# KiCad board Backplane_v2.kicad_pcb (continued)
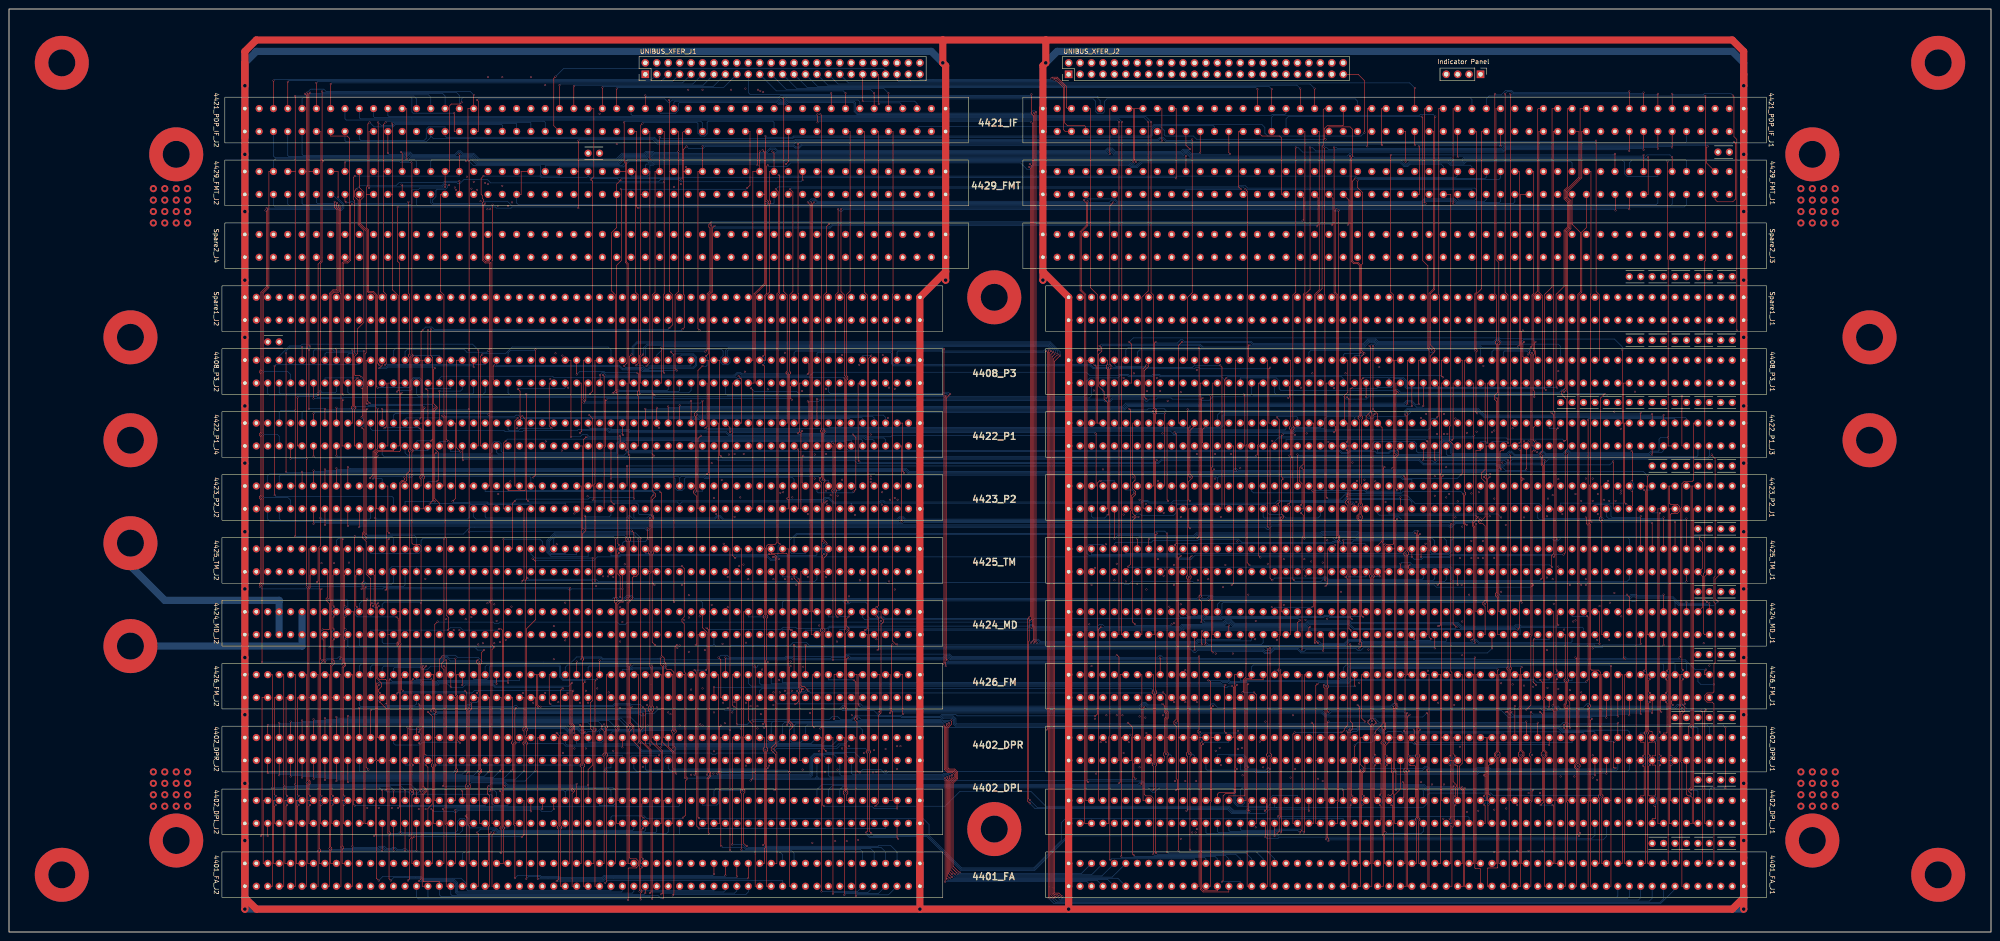
[diagram p0: board, top side]
## Routing (per net, layer and track width the routed paths; a pad name or vN(x,y) marks a point on that pad's centre or on a via; arc(x,y) is an arc through that point) (continued)
FAM03*: length 225.3
  F.SigTop w0.127: v2(297.72,45.21) 297.47,44.96 297.47,10.16 4401_FA_J1.72 ; 4426_FM_J2.19 178.34,57.15 178.34,45.85 v2(178.73,45.47)
  B.Sig.Top w0.127: 4402_DPR_J1.27 352.08,44.32 351.83,44.58 344.97,44.58 344.08,45.47 305.6,45.47 304.96,44.83 304.71,44.83 304.07,45.47 299.38,45.47 299.12,45.21 v2(297.72,45.21) 297.47,45.47 207.94,45.47 207.81,45.34 207.3,45.34 206.92,45.72 178.98,45.72 v2(178.73,45.47)
FAM04*: length 168.9
  F.SigTop w0.127: v2(270.04,54.86) 270.04,54.74 269.78,54.48 269.78,44.58 v2(270.17,44.2) ; 4401_FA_J1.92 270.8,8.89 265.08,8.89 264.45,9.52 264.45,41.91 v2(264.83,42.29)
  B.Sig.Top w0.127: v2(264.83,42.29) 264.83,42.42 264.45,42.8 264.45,43.81 264.83,44.2 v2(270.17,44.2) 273.34,44.2 4402_DPR_J1.89 ; v2(270.04,54.86) 167.04,54.86 166.66,55.25 4426_FM_J2.29
FAM05*: length 166.3
  F.SigTop w0.127: v2(265.08,41.78) 264.7,41.4 264.7,9.65 265.21,9.14 268.26,9.14 4401_FA_J1.94 ; 4402_DPR_J1.91 271.82,43.18 271.82,54.36 v2(271.56,54.61)
  B.Sig.Top w0.127: v2(271.56,54.61) 270.67,54.61 270.42,54.36 269.78,54.36 269.53,54.61 164.75,54.61 164.12,55.25 4426_FM_J2.31 ; v2(265.08,41.78) 265.47,42.16 270.8,42.16 4402_DPR_J1.91
FAM06*: length 158.4
  F.SigTop w0.127: v2(267.24,50.16) 266.99,49.91 266.99,43.18 ; 266.99,43.18 266.99,29.08 266.74,28.83 266.74,10.16 4401_FA_J1.96 ; 266.99,43.18 4402_DPR_J1.93 ; v2(161.07,49.91) 160.56,50.42 160.56,57.15 4426_FM_J2.33
  B.Sig.Top w0.127: v2(267.24,50.16) 266.99,49.91 252.64,49.91 252.13,50.42 251.88,50.42 251.12,49.66 186.09,49.66 185.46,50.29 185.07,50.29 184.44,49.66 161.33,49.66 v2(161.07,49.91)
FAM07*: length 164.5
  F.SigTop w0.127: v2(264.2,61.21) 264.2,44.96 263.94,44.7 263.94,44.32 264.2,44.07 264.2,43.18 ; v2(159.04,60.96) 4426_FM_J2.35 ; 264.2,43.18 4402_DPR_J1.95 ; 264.2,43.18 264.2,10.16 4401_FA_J1.98
  B.Sig.Top w0.127: v2(264.2,61.21) 263.94,60.96 256.19,60.96 255.69,61.47 255.43,61.47 254.93,60.96 209.2,60.96 208.82,61.34 207.68,61.34 207.3,60.96 186.85,60.96 186.35,61.47 186.09,61.47 185.58,60.96 182.66,60.96 182.41,60.71 174.15,60.71 173.9,60.96 172.63,60.96 172.38,60.71 159.29,60.71 v2(159.04,60.96)
FAM08*: length 104.3
  F.SigTop w0.127: v2(188,8) 188,43.18 4402_DPR_J2.13 ; 4426_FM_J2.45 147.36,57.15 147.36,44.96 147.1,44.7 147.1,44.45 147.36,44.2 v2(147.36,40.89)
  B.Sig.Top w0.127: v2(188,8) 188.25,8.25 195.24,8.25 4401_FA_J2.6 ; v2(147.36,40.89) 147.61,41.15 183.55,41.15 184.19,41.78 185.58,41.78 4402_DPR_J2.13
FAM09*: length 103.6
  F.SigTop w0.127: 4402_DPR_J2.15 185.46,43.18 185.46,31.5 185.2,31.24 185.2,30.73 185.46,30.48 v2(185.46,8.25) ; v2(144.82,41.15) 144.82,57.15 4426_FM_J2.47
  B.Sig.Top w0.127: v2(144.82,41.15) 145.07,41.4 182.66,41.4 4402_DPR_J2.15 ; 4401_FA_J2.8 192.95,8.51 185.71,8.51 v2(185.46,8.25)
FAM10*: length 102.8
  F.SigTop w0.127: 4402_DPR_J2.17 182.92,43.18 v2(182.92,8.51) ; 4426_FM_J2.49 142.28,57.15 142.28,50.29 142.02,50.04 142.02,49.15 142.28,48.89 v2(142.28,41.4)
  B.Sig.Top w0.127: 4401_FA_J2.10 190.66,8.76 183.17,8.76 v2(182.92,8.51) ; 4402_DPR_J2.17 180.38,41.66 142.53,41.66 v2(142.28,41.4)
FAM11*: length 101.2
  F.SigTop w0.127: 4426_FM_J2.51 139.74,57.15 v2(139.74,41.91) ; v2(180.38,9.02) 180.38,43.18 4402_DPR_J2.19
  B.Sig.Top w0.127: v2(180.38,9.02) 188.38,9.02 4401_FA_J2.12 ; 4402_DPR_J2.19 178.09,41.91 v2(139.74,41.91)
FAM12*: length 93.9
  F.SigTop w0.127: v2(147.36,8.13) 147.61,8.38 147.61,40 146.34,41.27 4402_DPR_J2.45 145.32,43.18 v2(145.32,59.44) ; v2(126.02,60.07) 4426_FM_J2.61
  B.Sig.Top w0.127: v2(126.02,60.07) 126.27,59.82 144.94,59.82 v2(145.32,59.44) ; v2(147.36,8.13) 147.36,8.25 147.48,8.38 163.61,8.38 164.12,8.89 4401_FA_J2.32
FAM13*: length 92.4
  F.SigTop w0.127: v2(142.78,59.18) 142.78,50.29 143.04,50.04 143.04,49.15 142.78,48.89 142.78,43.18 4402_DPR_J2.47 143.8,41.53 145.07,40.26 145.07,8.64 v2(144.82,8.38)
  B.Sig.Top w0.127: v2(144.82,8.38) 145.07,8.64 161.07,8.64 161.58,9.14 4401_FA_J2.34 ; 4426_FM_J2.63 123.48,58.8 123.99,59.31 137.2,59.31 137.7,58.8 138.08,58.8 138.59,59.31 142.66,59.31 v2(142.78,59.18)
FAM14*: length 88.8
  F.SigTop w0.127: v2(140.75,49.91) 141.26,49.4 4402_DPR_J2.49 141.26,41.78 142.53,40.51 142.53,8.89 v2(142.28,8.64) ; 4426_FM_J2.65 119.92,57.15 119.92,50.93 v2(120.18,50.67)
  B.Sig.Top w0.127: 4401_FA_J2.36 159.04,9.27 158.66,8.89 142.53,8.89 v2(142.28,8.64) ; v2(140.75,49.91) 140.12,50.55 138.08,50.55 137.96,50.67 134.4,50.67 134.02,50.29 120.56,50.29 v2(120.18,50.67)
FAM15*: length 88.6
  F.SigTop w0.127: v2(139.99,9.02) 139.99,41.02 138.72,42.29 4402_DPR_J2.51 138.72,45.72 137.96,46.48 137.96,49.78 v2(138.21,50.04) ; 4426_FM_J2.67 117.38,57.15 117.38,50.42 117.76,50.04 v2(118.02,50.04)
  B.Sig.Top w0.127: v2(138.21,50.04) 137.83,50.42 134.53,50.42 134.15,50.04 v2(118.02,50.04) ; v2(139.99,9.02) 140.12,9.14 156.5,9.14 4401_FA_J2.38
FAM16*: length 119.6
  F.SigTop w0.127: 4402_DPR_J2.89 90.46,45.21 v2(90.71,45.47) ; v2(130.46,56.13) 130.08,55.75 130.08,45.21 v2(130.34,44.96) 130.08,44.7 130.08,10.16 4401_FA_J2.58
  B.Sig.Top w0.127: v2(130.34,44.96) 126.91,44.96 126.4,45.47 125.13,45.47 124.62,44.96 124.24,44.96 123.48,45.72 90.97,45.72 v2(90.71,45.47) ; v2(130.46,56.13) 123.1,56.13 122.46,56.77 122.46,59.05 122.21,59.31 106.08,59.31 105.7,58.93 4426_FM_J2.77
FAM17*: length 121.9
  F.SigTop w0.127: 4402_DPR_J2.91 88.56,43.81 88.56,45.34 v2(88.43,45.47) ; 127.54,44.07 127.54,44.7 ; 127.54,44.07 127.54,44.2 v2(127.8,44.45) 127.54,44.7 ; 127.54,44.07 127.54,37.47 127.8,37.21 127.8,36.83 127.54,36.58 127.54,10.16 4401_FA_J2.60 ; 127.54,44.7 127.54,55.25 v2(127.93,55.63)
  B.Sig.Top w0.127: 4426_FM_J2.79 103.16,56.13 106.08,56.13 106.72,56.77 106.72,58.93 106.84,59.05 122.08,59.05 122.21,58.93 122.21,56.64 122.97,55.88 127.67,55.88 v2(127.93,55.63) ; v2(88.43,45.47) 88.94,44.96 91.35,44.96 91.86,45.47 123.35,45.47 124.12,44.7 124.75,44.7 125.26,45.21 126.27,45.21 126.78,44.7 127.54,44.7 v2(127.8,44.45)
FAM18*: length 107.5
  F.SigTop w0.127: v2(100.11,42.04) 99.6,42.54 99.6,52.45 99.35,52.71 99.35,57.15 4426_FM_J2.81 v2(100.62,54.86) ; v2(125,55.37) 124.75,55.12 124.75,46.23 125.26,45.72 125.26,45.09 125,44.83 125,32 125.51,31.5 125.51,31.24 125,30.73 125,10.16 4401_FA_J2.62
  B.Sig.Top w0.127: 4402_DPR_J2.93 85.38,41.91 85.76,41.53 91.09,41.53 91.73,42.16 99.99,42.16 v2(100.11,42.04) ; v2(125,55.37) 124.24,54.61 107.99,54.61 107.48,55.12 100.87,55.12 v2(100.62,54.86)
FAM19*: length 103.1
  F.SigTop w0.127: 4402_DPR_J2.95 81.82,43.18 81.82,54.61 v2(82.08,54.86) ; 4401_FA_J2.64 122.46,10.16 122.46,22.86 122.72,23.11 122.72,23.37 122.46,23.62 122.46,53.72 122.85,54.1 v2(122.97,54.1) ; v2(98.08,54.36) 4426_FM_J2.83
  B.Sig.Top w0.127: v2(122.97,54.1) 122.72,54.36 107.86,54.36 107.35,54.86 101.25,54.86 100.75,54.36 v2(98.08,54.36) 97.32,55.12 95.54,55.12 95.29,54.86 91.48,54.86 91.22,55.12 82.33,55.12 v2(82.08,54.86)
FAM20*: length 135.4
  F.SigTop w0.127: v2(145.2,7.49) 145.32,7.62 145.32,29.21 4402_DPL_J2.45 ; 4401_FA_J2.84 97.06,10.16 97.06,23.75 96.81,24 96.81,58.8 v2(96.56,59.05)
  B.Sig.Top w0.127: v2(96.56,59.05) 93.63,59.05 92.87,58.29 91.73,58.29 91.22,58.8 85.63,58.8 85.38,58.55 4426_FM_J2.93 ; v2(145.2,7.49) 144.69,7.49 144.05,8.13 98.33,8.13 98.08,8.38 4401_FA_J2.84
FAM21*: length 137.5
  F.SigTop w0.127: v2(142.78,7.37) 142.78,29.21 4402_DPL_J2.47 ; v2(92.62,59.05) 91.98,58.42 91.98,32.38 92.62,31.75 92.62,31.12 91.98,30.48 91.98,11.18 95.54,11.18 4401_FA_J2.86
  B.Sig.Top w0.127: 4426_FM_J2.95 82.84,58.67 83.22,59.05 91.35,59.05 91.86,58.55 92.11,58.55 v2(92.62,59.05) ; 4401_FA_J2.86 95.54,8.25 95.92,7.87 142.28,7.87 v2(142.78,7.37)
FAM22*: length 138.1
  F.SigTop w0.127: v2(140.75,16.26) 140.5,16.51 140.5,22.86 v2(140.75,23.11) ; 4401_FA_J2.88 91.73,10.16 91.73,30.61 92.37,31.24 92.37,31.62 91.73,32.26 91.73,58.8 v2(91.98,59.05) ; v2(140.24,7.24) 140.24,8.64 140.5,8.89 140.5,9.27 140.24,9.52 140.24,14.1 v2(140.5,14.35) ; 4402_DPL_J2.49 140.5,28.45 140.5,25.65 v2(140.88,25.27)
  B.Sig.Top w0.127: 4426_FM_J2.97 80.3,58.93 80.68,59.31 91.73,59.31 v2(91.98,59.05) ; 4401_FA_J2.88 93,7.87 93.25,7.62 139.86,7.62 v2(140.24,7.24) ; v2(140.5,14.35) 140.24,14.61 140.24,15.75 v2(140.75,16.26) ; v2(140.88,25.27) 140.24,24.64 140.24,23.62 v2(140.75,23.11)
FAM23*: length 169.7
  F.SigTop w0.127: v2(137.45,7.11) 137.45,14.1 137.58,14.22 139.23,14.22 139.74,14.73 139.74,15.75 139.23,16.26 137.96,16.26 137.7,16.51 137.7,29.21 ; 137.7,29.21 4402_DPL_J2.51 ; 137.7,29.21 137.7,44.45 138.47,45.21 138.47,45.59 137.7,46.36 137.7,58.93 137.96,59.18 v2(137.96,59.31)
  B.Sig.Top w0.127: v2(137.96,59.31) 137.96,59.44 137.83,59.56 104.81,59.56 104.68,59.44 104.18,59.44 104.05,59.56 78.27,59.56 77.76,59.05 4426_FM_J2.99 ; 4401_FA_J2.90 90.46,7.75 90.84,7.37 137.2,7.37 v2(137.45,7.11)
FAM24*: length 76.4
  F.SigTop w0.127: 4426_FM_J2.109 66.08,57.15 v2(66.08,33.15) 66.08,10.16 4401_FA_J2.110 ; 4402_DPL_J2.89 v2(90.46,31.5)
  B.Sig.Top w0.127: v2(90.46,31.5) 89.19,32.77 66.46,32.77 v2(66.08,33.15)
FAM25*: length 76.2
  F.SigTop w0.127: 4401_FA_J2.112 63.54,10.16 v2(63.54,32.77) 63.54,57.15 4426_FM_J2.111 ; 4402_DPL_J2.91 v2(87.92,31.5)
  B.Sig.Top w0.127: v2(63.54,32.77) 63.79,32.51 86.9,32.51 v2(87.92,31.5)
FAM26*: length 76.1
  F.SigTop w0.127: 4402_DPL_J2.93 v2(85.38,31.5) ; 4426_FM_J2.113 61,57.15 v2(61,32.51) 61,10.16 4401_FA_J2.114
  B.Sig.Top w0.127: v2(85.38,31.5) 84.62,32.26 61.25,32.26 v2(61,32.51)
FAM27*: length 75.9
  F.SigTop w0.127: 4426_FM_J2.115 58.46,57.15 v2(58.46,32) 58.46,10.16 4401_FA_J2.116 ; 4402_DPL_J2.95 v2(82.84,31.5)
  B.Sig.Top w0.127: v2(58.46,32) 82.33,32 v2(82.84,31.5)
FANEG*: length 124
  F.SigTop w0.127: v2(340.4,106.04) 340.4,103.89 340.65,103.63 340.65,51.82 340.9,51.56 340.9,40.39 341.41,39.88 341.41,39.12 340.9,38.61 340.9,10.16 4401_FA_J1.36 ; 4422_P1_J3.18 v2(364.78,106.04)
  B.Sig.Top w0.127: v2(364.78,106.04) 364.65,106.04 364.4,105.79 340.65,105.79 v2(340.4,106.04)
FAOVF*: length 131.4
  F.SigTop w0.127: 4422_P1_J3.9 373.92,113.03 373.92,100.33 373.67,100.08 371.89,100.08 371.38,99.57 371.38,94.36 371.13,94.11 371.13,61.21 v2(370.88,60.96) ; v2(347.76,60.96) 348.02,60.71 348.02,37.59 347.51,37.08 347.51,36.58 348.02,36.07 348.02,10.16 4401_FA_J1.32
  B.Sig.Top w0.127: v2(370.88,60.96) 370.62,60.71 359.19,60.71 358.81,61.09 358.56,61.09 358.18,60.71 348.02,60.71 v2(347.76,60.96)
FAUNF*: length 125.5
  F.SigTop w0.127: 4401_FA_J1.30 350.56,10.16 350.56,28.83 350.81,29.08 350.81,49.78 351.06,50.04 351.06,50.42 350.81,50.67 350.81,90.42 350.56,90.68 v2(350.56,113.79)
  B.Sig.Top w0.127: v2(350.56,113.79) 350.56,113.92 350.68,114.05 369.73,114.05 369.86,113.92 4422_P1_J3.13
FAZRO*: length 122.1
  F.SigTop w0.127: v2(346.49,45.34) 346.49,51.05 345.98,51.56 345.98,55.5 346.24,55.75 346.24,56.01 345.98,56.26 v2(345.98,106.3) ; 4401_FA_J1.34 345.48,10.16 345.48,45.09 v2(345.22,45.34)
  B.Sig.Top w0.127: 4422_P1_J3.16 367.32,106.93 366.94,106.55 364.65,106.55 364.14,106.04 346.24,106.04 v2(345.98,106.3) ; v2(346.49,45.34) 346.11,45.72 345.6,45.72 v2(345.22,45.34)
FFTQ: length 39.8
  F.SigTop w0.127: 4423_P2_J1.35 342.94,99.06 342.94,114.81 v2(342.43,115.32) ; 4422_P1_J3.19 v2(362.24,115.32)
  B.Sig.Top w0.127: v2(362.24,115.32) 361.99,115.06 342.68,115.06 v2(342.43,115.32)
FLAG0: length 179.8
  F.SigTop w0.127: v2(312.96,117.22) 312.96,127 4408_P3_J1.57 ; v2(148.88,116.97) 4422_P1_J4.43
  B.Sig.Top w0.127: v2(312.96,117.22) 312.2,117.22 311.44,117.98 310.17,117.98 309.66,117.47 247.94,117.47 247.18,116.71 149.13,116.71 v2(148.88,116.97)
FLAG1: length 177.6
  F.SigTop w0.127: 4422_P1_J4.45 v2(146.34,116.71) ; v2(313.98,116.84) 4408_P3_J1.58
  B.Sig.Top w0.127: v2(146.34,116.71) 146.59,116.46 247.37,116.46 248.13,117.22 309.79,117.22 310.3,117.73 311.31,117.73 312.46,116.59 313.73,116.59 v2(313.98,116.84)
FLAG2: length 181.4
  F.SigTop w0.127: v2(310.42,117.22) 310.42,127 4408_P3_J1.59 ; v2(143.8,116.46) 4422_P1_J4.47
  B.Sig.Top w0.127: v2(143.8,116.46) 144.05,116.2 247.56,116.2 248.32,116.97 310.17,116.97 v2(310.42,117.22)
FLAG3: length 178.9
  F.SigTop w0.127: v2(311.44,116.84) 4408_P3_J1.60 ; 4422_P1_J4.49 v2(141.26,116.2)
  B.Sig.Top w0.127: v2(311.44,116.84) 311.31,116.71 248.45,116.71 247.69,115.95 141.51,115.95 v2(141.26,116.2)
FME02*: length 111.9
  F.SigTop w0.127: v2(301.03,46.74) 300.26,47.5 300.26,57.15 4426_FM_J1.67 ; v2(292.9,46.74) 292.64,46.48 292.64,21.08 292.9,20.83 v2(292.9,20.19)
  B.Sig.Top w0.127: v2(292.9,20.19) 293.15,20.45 353.86,20.45 354.62,21.21 4402_DPL_J1.26 ; v2(292.9,46.74) 293.15,46.48 300.77,46.48 v2(301.03,46.74)
FME03*: length 105.7
  F.SigTop w0.127: v2(298.74,54.61) 4426_FM_J1.69 ; v2(292.39,20.57) v2(292.39,54.61)
  B.Sig.Top w0.127: v2(292.39,54.61) v2(298.74,54.61) ; v2(292.39,20.57) 292.52,20.7 351.32,20.7 352.08,21.46 4402_DPL_J1.28
FME04*: length 52
  F.SigTop w0.127: v2(287.44,22.1) 287.56,22.23 287.56,57.15 4426_FM_J1.77
  B.Sig.Top w0.127: 4402_DPL_J1.90 273.34,22.86 273.59,22.61 280.83,22.61 281.09,22.86 286.68,22.86 v2(287.44,22.1)
FME05*: length 54
  F.SigTop w0.127: 4426_FM_J1.79 287.06,57.15 287.06,22.61 v2(286.55,22.1)
  B.Sig.Top w0.127: 4402_DPL_J1.92 270.8,22.61 271.05,22.35 280.96,22.35 281.21,22.61 286.04,22.61 v2(286.55,22.1)
FME06*: length 52.3
  F.SigTop w0.127: v2(282.36,22.1) 282.48,22.23 282.48,57.15 4426_FM_J1.81
  B.Sig.Top w0.127: 4402_DPL_J1.94 268.26,22.35 268.51,22.1 281.09,22.1 281.34,22.35 282.1,22.35 v2(282.36,22.1)
FME07*: length 56.8
  F.SigTop w0.127: v2(282.23,58.17) 282.23,25.53 281.98,25.27 281.98,22.35 v2(281.47,21.84)
  B.Sig.Top w0.127: v2(281.47,21.84) 265.97,21.84 265.72,22.1 4402_DPL_J1.96 ; 4426_FM_J1.83 280.96,58.17 v2(282.23,58.17)
FME08*: length 120
  F.Sig.In w0.127: 4426_FM_J1.95 264.7,57.15 264.7,44.96 264.96,44.7 264.96,44.32 264.7,44.07 264.7,42.8 264.32,42.42 264.32,41.91 264.45,41.78 264.45,23.62 v2(263.69,22.86)
  B.Sig.In w0.127: v2(263.69,22.86) 263.56,22.73 236,22.73 228.76,15.49 210.22,15.49 202.98,22.73 187.23,22.73 186.98,22.99 4402_DPL_J2.14
FME09*: length 122.6
  F.Sig.In w0.127: v2(262.67,22.1) 262.16,22.61 262.16,38.99 262.42,39.24 262.42,39.75 262.16,40 262.16,57.15 4426_FM_J1.97
  B.Sig.In w0.127: v2(262.67,22.1) 262.16,21.59 235.24,21.59 228.89,15.24 210.09,15.24 203.87,21.46 201.08,21.46 200.31,22.23 193.33,22.23 192.57,21.46 190.15,21.46 189.14,22.48 184.82,22.48 184.44,22.86 4402_DPL_J2.16
FME10*: length 128.6
  F.Sig.In w0.127: v2(263.43,22.1) 262.93,21.59 262.16,21.59 261.91,21.84 261.91,38.74 261.4,39.24 261.4,39.75 261.91,40.26 261.91,57.15 4426_FM_J1.99
  B.Sig.In w0.127: 4402_DPL_J2.18 181.9,22.73 183.42,21.21 192.69,21.21 193.46,21.97 200.19,21.97 200.95,21.21 203.74,21.21 209.97,14.99 229.02,14.99 235.37,21.34 262.67,21.34 v2(263.43,22.1)
FME11*: length 127.4
  F.Sig.In w0.127: 4426_FM_J1.101 259.12,57.15 259.12,51.56 259.37,51.31 259.37,47.5 258.61,46.74 258.61,46.23 259.37,45.47 259.37,34.16 259.62,33.91 259.62,21.21 v2(260.13,20.7)
  B.Sig.In w0.127: 4402_DPL_J2.20 179.36,22.61 181.01,20.96 192.82,20.96 193.58,21.72 200.06,21.72 200.82,20.96 203.62,20.96 209.84,14.73 229.14,14.73 235.37,20.96 259.88,20.96 v2(260.13,20.7)
FMM00*: length 214.5
  F.SigTop w0.127: v2(314.74,48.64) 315,48.39 315,36.19 v2(314.74,35.94) 315,35.69 315,10.16 4401_FA_J1.58 ; 4426_FM_J2.5 198.41,57.15 v2(198.41,48.39)
  B.Sig.Top w0.127: 4402_DPR_J1.22 359.7,36.07 359.32,35.69 328.71,35.69 328.46,35.94 326.17,35.94 325.92,35.69 315,35.69 v2(314.74,35.94) ; v2(314.74,48.64) 313.85,47.75 292.26,47.75 291.37,48.64 198.66,48.64 v2(198.41,48.39)
FMM01*: length 214.1
  F.SigTop w0.127: 4401_FA_J1.60 310.42,10.16 310.42,35.43 v2(310.81,35.81) 310.42,36.19 310.42,47.75 v2(310.93,48.26) ; v2(195.62,48.64) 195.62,57.15 4426_FM_J2.7
  B.Sig.Top w0.127: v2(195.62,48.64) 195.87,48.89 291.5,48.89 292.39,48.01 310.68,48.01 v2(310.93,48.26) ; v2(310.81,35.81) 313.73,35.81 314.36,36.45 314.87,36.45 315.38,35.94 325.79,35.94 326.05,36.19 328.58,36.19 328.84,35.94 356.91,35.94 357.16,36.19 4402_DPR_J1.24
FMM02*: length 215.9
  F.SigTop w0.127: v2(310.42,48.64) 310.17,48.39 v2(310.17,35.81) 310.17,10.16 4401_FA_J1.62 ; 4426_FM_J2.9 193.33,57.15 193.33,49.02 v2(193.08,48.77) ; v2(354.62,35.18) 4402_DPR_J1.26
  B.Sig.Top w0.127: v2(354.62,35.18) 354.49,35.31 328.58,35.31 328.2,35.69 326.3,35.69 325.92,35.31 310.3,35.31 310.17,35.43 v2(310.17,35.81) ; v2(310.42,48.64) 309.92,48.64 309.66,48.89 293.53,48.89 293.02,48.39 292.39,48.39 291.63,49.15 193.46,49.15 v2(193.08,48.77)
FMM03*: length 217.9
  F.SigTop w0.127: 4426_FM_J2.11 188.5,57.15 188.5,50.55 v2(188.76,50.29) ; 4402_DPR_J1.28 v2(352.08,34.8) ; v2(307.38,50.29) v2(307.38,35.81) 307.38,10.16 4401_FA_J1.64
  B.Sig.Top w0.127: v2(188.76,50.29) 189.14,49.91 250.99,49.91 251.75,50.67 252.26,50.67 252.77,50.16 266.48,50.16 266.99,50.67 267.5,50.67 268.26,49.91 307,49.91 v2(307.38,50.29) ; v2(352.08,34.8) 351.83,35.05 328.46,35.05 328.08,35.43 326.43,35.43 326.05,35.05 308.14,35.05 v2(307.38,35.81)
FMM04*: length 173.3
  F.SigTop w0.127: v2(176.82,63.75) 4426_FM_J2.21 ; 4401_FA_J1.84 279.94,10.16 v2(279.94,36.19) 279.94,38.61 280.32,38.99 280.32,39.37 279.94,39.75 v2(279.94,63.12)
  B.Sig.Top w0.127: v2(279.94,36.19) 279.44,35.69 277.02,35.69 276.77,35.94 273.47,35.94 273.34,36.07 4402_DPR_J1.90 ; v2(176.82,63.75) 177.2,63.37 279.69,63.37 v2(279.94,63.12)
FMM05*: length 178.6
  F.SigTop w0.127: v2(279.44,62.87) 279.44,39.75 279.18,39.5 279.18,39.12 279.44,38.86 v2(279.44,36.45) 279.44,10.16 4401_FA_J1.86 ; v2(174.28,63.75) 4426_FM_J2.23
  B.Sig.Top w0.127: v2(279.44,36.45) 278.93,35.94 277.15,35.94 276.9,36.19 274.61,36.19 274.36,36.45 274.36,38.74 273.98,39.12 270.8,39.12 4402_DPR_J1.92 ; v2(279.44,62.87) 279.18,63.12 174.92,63.12 v2(174.28,63.75)
FMM06*: length 162.2
  F.SigTop w0.127: 4401_FA_J1.88 274.86,10.16 274.86,36.45 v2(275.12,36.7) 274.86,36.96 274.86,54.86 v2(275.12,55.12)
  B.Sig.Top w0.127: 4402_DPR_J1.94 268.26,39.37 274.1,39.37 274.61,38.86 274.61,36.83 274.74,36.7 v2(275.12,36.7) ; 4426_FM_J2.25 171.74,55.37 268.89,55.37 269.15,55.63 270.8,55.63 271.05,55.37 274.86,55.37 v2(275.12,55.12)
FMM07*: length 166.2
  F.SigTop w0.127: v2(269.28,11.18) 269.53,11.43 269.53,30.23 270.04,30.73 272.07,30.73 272.32,30.99 272.32,35.94 v2(272.58,36.19) 272.32,36.45 272.32,54.61 v2(272.58,54.86)
  B.Sig.Top w0.127: 4426_FM_J2.27 169.2,55.25 169.33,55.12 269.15,55.12 269.4,55.37 270.55,55.37 270.8,55.12 272.32,55.12 v2(272.58,54.86) ; 4402_DPR_J1.96 265.72,36.19 265.97,35.94 272.32,35.94 v2(272.58,36.19) ; 4401_FA_J1.90 273.34,11.18 v2(269.28,11.18)
FMM08*: length 146
  F.SigTop w0.127: 4426_FM_J2.37 157.52,57.15 157.52,35.43 v2(157.26,35.18) ; v2(209.33,12.19) 208.57,12.95 208.57,33.53 209.33,34.29 v2(209.33,34.92)
  B.Sig.Top w0.127: 4401_FA_J1.110 246.16,11.94 209.59,11.94 v2(209.33,12.19) ; v2(209.33,34.92) 209.08,35.18 207.43,35.18 207.17,34.92 187.36,34.92 186.98,35.31 4402_DPR_J2.14 185.46,39.62 178.73,39.62 177.84,38.74 177.84,35.05 177.71,34.92 157.52,34.92 v2(157.26,35.18)
FMM09*: length 145.7
  F.SigTop w0.127: 4426_FM_J2.39 154.98,57.15 v2(154.98,34.92) ; v2(208.82,11.94) 208.32,12.45 208.32,33.65 208.82,34.16 v2(208.82,34.67)
  B.Sig.Top w0.127: 4401_FA_J1.112 243.88,11.68 209.08,11.68 v2(208.82,11.94) ; v2(154.98,34.92) 155.23,34.67 177.84,34.67 178.09,34.92 178.09,38.61 178.85,39.37 183.17,39.37 4402_DPR_J2.16 184.44,35.05 184.82,34.67 207.3,34.67 207.55,34.92 208.57,34.92 v2(208.82,34.67)
FMM10*: length 146
  F.SigTop w0.127: v2(152.18,34.92) 152.44,35.18 152.44,57.15 4426_FM_J2.41 ; v2(208.32,34.42) 208.32,34.04 208.06,33.78 208.06,11.94 v2(208.32,11.68)
  B.Sig.Top w0.127: v2(152.18,34.92) 152.69,34.42 177.96,34.42 178.34,34.8 178.34,38.48 178.98,39.12 180.88,39.12 4402_DPR_J2.18 181.9,34.8 182.28,34.42 207.43,34.42 207.68,34.67 208.06,34.67 v2(208.32,34.42) ; 4401_FA_J1.114 241.59,11.43 208.57,11.43 v2(208.32,11.68)
FMM11*: length 142.5
  F.SigTop w0.127: v2(207.81,11.18) v2(207.81,34.16) ; v2(150.02,34.16) 150.02,57.15 4426_FM_J2.43
  B.Sig.Top w0.127: 178.98,34.16 v2(150.02,34.16) ; 178.98,34.16 179.36,34.54 ; 178.98,34.16 179.74,34.16 ; 179.74,34.16 v2(207.81,34.16) ; 179.74,34.16 179.36,34.54 ; 4402_DPR_J2.20 179.36,34.54 ; 4401_FA_J1.116 239.3,11.18 v2(207.81,11.18)
FMM12*: length 119.3
  F.SigTop w0.127: v2(173.52,59.05) 173.26,58.8 173.26,46.86 174.03,46.1 174.03,45.59 173.26,44.83 v2(173.26,35.43) 173.26,10.16 4401_FA_J2.24
  B.Sig.Top w0.127: 4426_FM_J2.53 136.18,58.29 138.34,58.29 138.47,58.42 145.32,58.42 146.09,59.18 165.01,59.18 165.52,58.67 165.9,58.67 166.15,58.93 166.15,59.18 166.28,59.31 173.26,59.31 v2(173.52,59.05) ; 4402_DPR_J2.46 146.34,36.32 146.72,35.94 172.76,35.94 v2(173.26,35.43)
FMM13*: length 103.9
  F.SigTop w0.127: 4426_FM_J2.55 132.62,57.15 132.62,45.91 132.88,45.66 132.88,45.47 132.62,45.21 132.62,39.75 132.88,39.5 132.88,39.12 132.62,38.86 v2(132.62,35.94) 132.62,11.18 v2(132.37,10.92)
  B.Sig.Top w0.127: v2(132.62,35.94) 132.88,35.69 137.45,35.69 137.7,35.94 137.7,38.61 138.21,39.12 143.8,39.12 4402_DPR_J2.48 ; v2(132.37,10.92) 132.88,11.43 171.74,11.43 4401_FA_J2.26
FMM14*: length 126.5
  F.SigTop w0.127: v2(168.44,59.94) 168.18,59.69 168.18,41.02 168.44,40.77 168.44,40.26 168.18,40 168.18,36.7 v2(168.44,36.45) 168.18,36.19 168.18,10.16 4401_FA_J2.28 ; v2(131.1,60.33) 4426_FM_J2.57
  B.Sig.Top w0.127: v2(131.1,60.33) 131.35,60.07 145.2,60.07 145.32,59.94 v2(168.44,59.94) ; 4402_DPR_J2.50 141.26,36.19 141.51,35.94 145.07,35.94 145.32,36.19 145.32,38.61 145.83,39.12 146.85,39.12 147.36,38.61 147.36,36.45 147.61,36.19 168.18,36.19 v2(168.44,36.45)
FMM15*: length 118.6
  F.SigTop w0.127: v2(165.64,59.18) v2(165.64,35.43) 165.64,10.16 4401_FA_J2.30
  B.Sig.Top w0.127: v2(165.64,35.43) 158.28,35.43 158.02,35.69 139.36,35.69 138.72,36.32 4402_DPR_J2.52 ; v2(165.64,59.18) 165.39,59.44 145.96,59.44 145.2,58.67 138.34,58.67 138.21,58.55 137.58,58.55 137.07,59.05 128.81,59.05 128.56,58.8 4426_FM_J2.59
FMM16*: length 131.1
  F.SigTop w0.127: v2(117.43,49.83) 117.43,50 117.13,50.29 117.13,57.15 4426_FM_J2.69 ; v2(90.97,50.55) 91.22,50.29 91.22,44.7 v2(90.97,44.45) ; v2(90.97,11.3) 91.48,11.81 91.48,31.12 91.22,31.37 91.22,37.34 4402_DPR_J2.90 91.22,38.86 91.22,41.78 v2(90.97,42.04) ; 4401_FA_J2.50 v2(141.26,8.64)
  B.Sig.Top w0.127: v2(90.97,11.3) 91.09,11.18 98.59,11.18 99.1,10.67 99.1,8.76 99.48,8.38 141.01,8.38 v2(141.26,8.64) ; v2(90.97,44.45) 91.48,43.94 91.48,42.54 v2(90.97,42.04) ; v2(117.43,49.83) 117.38,49.78 113.19,49.78 112.69,50.29 112.3,50.29 112.05,50.04 102.91,50.04 102.4,50.55 101.89,50.55 101.64,50.29 91.22,50.29 v2(90.97,50.55)
FMM17*: length 127.8
  F.SigTop w0.127: v2(88.56,11.43) 88.94,11.81 88.94,20.57 89.44,21.08 89.44,30.35 89.83,30.74 89.83,31.36 89.44,31.75 89.44,36.83 v2(89.7,37.08) 89.44,37.34 89.44,55.88 v2(89.7,56.13)
  B.Sig.Top w0.127: v2(89.7,37.08) 87.92,37.08 4402_DPR_J2.92 ; v2(88.56,11.43) 88.94,11.81 91.22,11.81 91.6,11.43 98.71,11.43 99.35,10.79 99.35,8.89 99.6,8.64 138.34,8.64 138.72,9.02 4401_FA_J2.52 ; 4426_FM_J2.71 113.32,55.88 95.16,55.88 94.91,55.63 91.86,55.63 91.6,55.88 89.95,55.88 v2(89.7,56.13)
FMM18*: length 130
  F.SigTop w0.127: 84.36,38.1 84.36,22.35 84.62,22.1 84.62,21.72 84.36,21.46 84.36,11.81 v2(84.75,11.43) ; 84.36,38.1 84.36,55.88 v2(84.62,56.13) ; 84.36,38.1 4402_DPR_J2.94 ; v2(110.78,55.37) 4426_FM_J2.73
  B.Sig.Top w0.127: v2(84.62,56.13) 85.13,55.63 91.48,55.63 91.73,55.37 95.03,55.37 95.29,55.63 110.65,55.63 110.78,55.5 v2(110.78,55.37) ; v2(84.75,11.43) 85.38,12.06 91.35,12.06 91.73,11.68 98.84,11.68 99.6,10.92 99.6,9.02 99.73,8.89 135.93,8.89 136.18,9.14 4401_FA_J2.54
FMM19*: length 129.3
  F.SigTop w0.127: 81.82,38.1 81.57,37.85 81.57,11.94 v2(82.08,11.43) ; 81.82,38.1 81.57,38.35 81.57,55.12 v2(81.82,55.37) ; 81.82,38.1 4402_DPR_J2.96 ; v2(108.24,55.12) 4426_FM_J2.75
  B.Sig.Top w0.127: 4401_FA_J2.56 133.64,9.14 101.89,9.14 101.64,9.4 101.64,10.67 100.37,11.94 91.86,11.94 91.48,12.32 82.97,12.32 v2(82.08,11.43) ; v2(81.82,55.37) 91.35,55.37 91.6,55.12 95.16,55.12 95.41,55.37 108.11,55.37 108.24,55.25 v2(108.24,55.12)
FMM20*: length 147.2
  F.SigTop w0.127: 4426_FM_J2.85 95.54,60.58 v2(96.18,61.21) ; v2(107.73,22.1) 107.22,21.59 107.22,10.16 4401_FA_J2.76 ; v2(144.69,60.96) 144.69,59.31 145.07,58.93 145.07,42.16 147.36,39.88 147.36,24.13 4402_DPL_J2.46
  B.Sig.Top w0.127: v2(107.73,22.1) 107.99,21.84 145.96,21.84 146.34,22.23 4402_DPL_J2.46 ; v2(96.18,61.21) 96.43,61.47 99.1,61.47 99.6,60.96 104.18,60.96 105.19,59.94 124.88,59.94 126.02,61.09 131.48,61.09 131.86,60.71 144.44,60.71 v2(144.69,60.96)
FMM21*: length 137.1
  F.SigTop w0.127: 4402_DPL_J2.48 144.82,24.13 144.82,40 142.53,42.29 v2(142.53,49.28) ; v2(94.27,49.02) 94.27,57.15 4426_FM_J2.87 ; v2(106.97,22.1) 106.72,21.84 106.72,10.16 4401_FA_J2.78
  B.Sig.Top w0.127: v2(94.27,49.02) 142.02,49.02 142.28,49.28 v2(142.53,49.28) ; 4402_DPL_J2.48 143.8,22.35 143.55,22.1 108.37,22.1 107.86,22.61 107.48,22.61 v2(106.97,22.1)
